# KiCad board raw.kicad_pcb (continued)
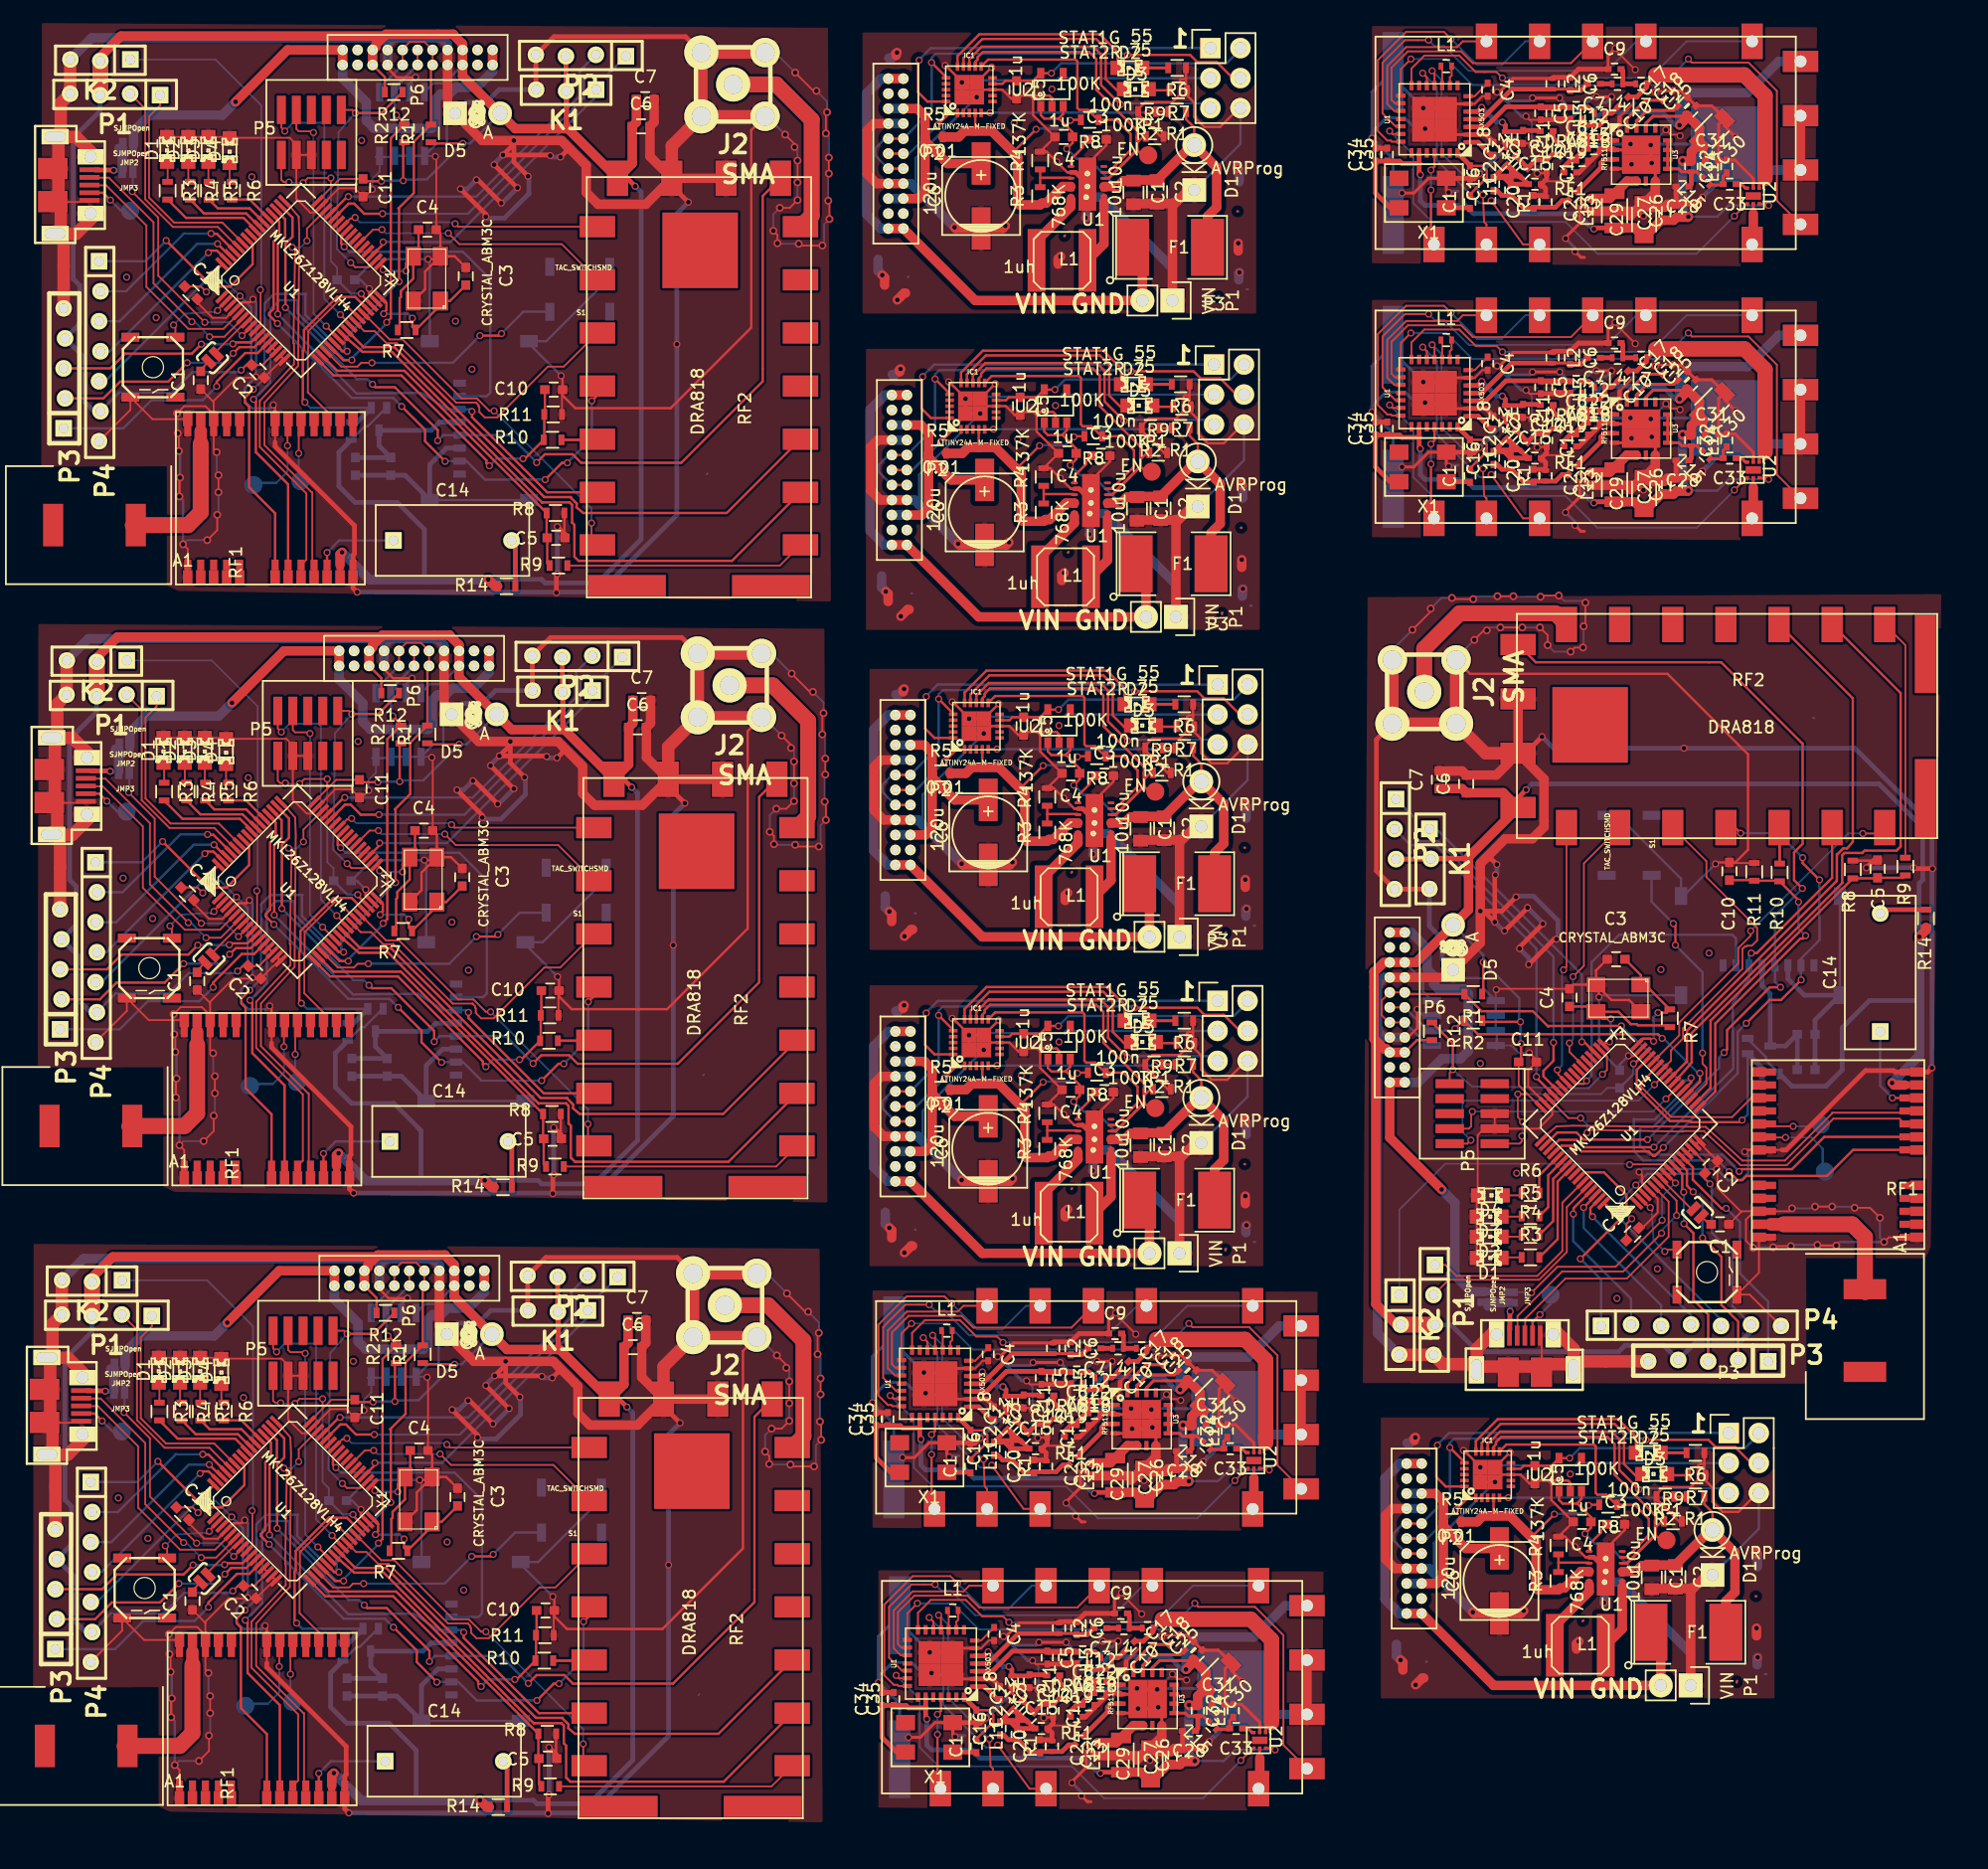
[diagram p0: board, top side]
## Routing (per net, layer and track width the routed paths; a pad name or vN(x,y) marks a point on that pad's centre or on a via; arc(x,y) is an arc through that point) (continued)
/USBDP: length 83
  Top w0.152: U1#9.5 137.35,52.23 137.35,49.25 133.8,45.7 128.6,45.7 125.2,42.3 125.2,41.36 ; U1#8.5 14.25,22.75 11.28,22.75 7.73,26.3 7.73,31.5 4.33,34.9 3.38,34.9 ; U1#7.5 14.65,75.25 11.68,75.25 8.12,78.8 8.12,84 4.73,87.4 3.78,87.4 ; U1#6.5 14.95,126.15 11.98,126.15 8.43,129.7 8.43,134.9 5.03,138.3 4.08,138.3
/USBV1: length 178.4
  Top w0.8: v1(118.13,53.25) 113.73,57.65 P6#4.21 P6#4.22 ; v1(15.27,41.98) 19.67,46.37 P6#3.21 P6#3.22 ; v1(15.68,94.48) 20.07,98.87 P6#2.21 P6#2.22 ; v1(15.98,145.38) 20.37,149.77 P6.21 P6.22 ; P6#4.2 P6#4.1 ; P6#2.2 P6#2.1 ; P6.2 P6.1 ; P6#3.2 P6#3.1
  Bottom w0.8: v1(118.13,53.25) 119.25,52.13 119.25,45.98 120.63,44.6 JMP2#4.2 ; v1(15.27,41.98) 14.15,40.85 8,40.85 6.62,39.47 JMP2#3.2 ; v1(15.68,94.48) 14.55,93.35 8.4,93.35 7.02,91.97 JMP2#2.2 ; v1(15.98,145.38) 14.85,144.25 8.7,144.25 7.32,142.87 JMP2.2 ; P6#4.22 116.15,62.32 118.15,64.33 119.73,64.33 120.38,64.98 120.38,69.85 120,70.23 117.88,70.23 117.45,70.65 117.45,71.35 116.9,71.9 116.9,73.68 115.56,75.02 P6#4.2 ; P6#3.22 24.34,43.96 26.35,41.95 26.35,40.38 27,39.73 31.88,39.73 32.25,40.1 32.25,42.23 32.68,42.65 33.38,42.65 33.93,43.2 35.7,43.2 37.05,44.55 P6#3.2 ; P6#2.22 24.75,96.46 26.75,94.45 26.75,92.88 27.4,92.23 32.27,92.23 32.65,92.6 32.65,94.73 33.08,95.15 33.77,95.15 34.33,95.7 36.1,95.7 37.45,97.05 P6#2.2 ; P6.22 25.05,147.36 27.05,145.35 27.05,143.78 27.7,143.12 32.58,143.12 32.95,143.5 32.95,145.62 33.38,146.05 34.08,146.05 34.62,146.6 36.4,146.6 37.75,147.95 P6.2
/USBV2: length 80.5
  Top w0.152: v1(137.93,53.8) 137.17,54.56 U1#9.8 ; v1(15.83,22.18) 16.58,22.93 U1#8.8 ; v1(16.23,74.68) 16.98,75.43 U1#7.8 ; v1(16.52,125.58) 17.28,126.33 U1#6.8 ; v1(136.8,50.65) 132.85,46.7 127.93,46.7 v1(125.73,44.5) ; v1(12.68,23.3) 8.73,27.25 8.73,32.18 v1(6.53,34.38) ; v1(13.08,75.8) 9.12,79.75 9.12,84.68 v1(6.93,86.88) ; v1(13.38,126.7) 9.43,130.65 9.43,135.58 v1(7.23,137.78)
  Bottom w0.152: v1(137.93,53.8) 136.8,52.68 v1(136.8,50.65) ; v1(15.83,22.18) 14.7,23.3 v1(12.68,23.3) ; v1(16.23,74.68) 15.1,75.8 v1(13.08,75.8) ; v1(16.52,125.58) 15.4,126.7 v1(13.38,126.7) ; v1(125.73,44.5) 125.68,44.55 JMP3#4.2 ; v1(6.53,34.38) 6.57,34.42 JMP3#3.2 ; v1(6.93,86.88) 6.97,86.92 JMP3#2.2 ; v1(7.23,137.78) 7.27,137.82 JMP3.2
/VSense: length 80
  Top w0.2: v1(137.12,27.15) 137.82,27.1 R2#4.1 R1#4.2 ; v1(93.82,63.75) 94.53,63.7 R2#5.1 R1#5.2 ; v1(93.82,90.55) 94.53,90.5 R2#3.1 R1#3.2 ; v1(93.53,117.65) 94.22,117.6 R2#2.1 R1#2.2 ; v1(93.22,144.45) 93.93,144.4 R2.1 R1.2 ; v1(123.78,27.15) 123.76,27.13 IC1#5.5 ; v1(80.47,63.75) 80.46,63.73 IC1#4.5 ; v1(80.47,90.55) 80.46,90.53 IC1#3.5 ; v1(80.18,117.65) 80.16,117.63 IC1#2.5 ; v1(79.88,144.45) 79.86,144.43 IC1.5
  Bottom w0.2: v1(137.12,27.15) v1(123.78,27.15) ; v1(93.82,63.75) v1(80.47,63.75) ; v1(93.82,90.55) v1(80.47,90.55) ; v1(93.53,117.65) v1(80.18,117.65) ; v1(93.22,144.45) v1(79.88,144.45)
Net-(A1-Pad2): length 76.6
  Top w0.2: RF1#2.11 RF1#2.11 ; RF1.11 RF1.11 ; RF1#4.11 RF1#4.11 ; RF1#3.11 RF1#3.11
  Top w1.056: 153.8,49.4 153.73,49.48 154,49.2 154,44.4 ; 11.43,6.3 11.5,6.38 11.23,6.1 6.43,6.1 ; 11.83,58.8 11.9,58.88 11.62,58.6 6.83,58.6 ; 12.12,109.7 12.2,109.78 11.93,109.5 7.12,109.5 ; RF1#4.11 147.1,50.3 ; RF1#3.11 12.33,13 ; RF1.11 13.03,116.4 ; RF1#2.11 12.73,65.5
  Top w1.35: A1#4.2 153.98,49.23 152.9,50.3 147.1,50.3 ; A1#3.2 11.25,6.12 12.33,7.2 12.33,13 ; A1#2.2 11.65,58.63 12.73,59.7 12.73,65.5 ; A1.2 11.95,109.53 13.03,110.6 13.03,116.4
Net-(C1-Pad1): length 8.1
  Top w0.4: C1#13.1 120.47,113.2 X1#8.3 ; C1#12.1 120.47,136.4 X1#7.3 ; C1#11.1 78.68,5.6 X1#6.3 ; C1#10.1 78.18,29.3 X1#5.3
Net-(C1-Pad2): length 27.7
  Top w0.152: JMP1#4.2 140.8,50.3 C1#9.2 ; JMP1#3.2 12.33,19.3 C1#8.2 ; JMP1#2.2 12.73,71.8 C1#7.2 ; JMP1.2 13.03,122.7 C1#6.2
  Top w0.2: C1#13.2 120.53,114.33 121.95,115.75 121.95,116.35 121.55,116.75 C2#13.1 ; C1#12.2 120.53,137.53 121.95,138.95 121.95,139.55 121.55,139.95 C2#12.1 ; C1#11.2 78.72,6.73 80.15,8.15 80.15,8.75 79.75,9.15 C2#11.1 ; C1#10.2 78.22,30.43 79.65,31.85 79.65,32.45 79.25,32.85 C2#10.1
  Top w0.4: U1#13.28 120.53,116.8 C2#13.1 ; U1#12.28 120.53,140 C2#12.1 ; U1#11.28 78.72,9.2 C2#11.1 ; U1#10.28 78.22,32.9 C2#10.1
Net-(C3-Pad1): length 61.6
  Top w0.2: C3#5.1 131.62,24.4 131.62,24.2 130.62,23.2 U1#5.1 ; C3#4.1 88.32,61 88.32,60.8 87.32,59.8 U1#4.1 ; C3#3.1 88.32,87.8 88.32,87.6 87.32,86.6 U1.1 ; C3#2.1 88.03,114.9 88.03,114.7 87.03,113.7 U1#3.1 ; C3.1 87.72,141.7 87.72,141.5 86.72,140.5 U1#2.1 ; v1(136.08,65.8) 136,65.8 135.78,66.03 135.18,66.03 U1#9.32 ; v1(27.83,24.03) 27.83,24.1 28.05,24.33 28.05,24.93 U1#8.32 ; v1(28.23,76.53) 28.23,76.6 28.45,76.83 28.45,77.43 U1#7.32 ; v1(28.52,127.43) 28.52,127.5 28.75,127.73 28.75,128.33 U1#6.32 ; v1(136.45,68.23) 137.18,68.23 R7#9.2 135.35,70.61 X1#4.1 135,71.41 C3#9.1 ; v1(30.25,23.65) 30.25,22.93 R7#8.2 32.63,24.75 X1#3.1 33.43,25.1 C3#8.1 ; v1(30.65,76.15) 30.65,75.43 R7#7.2 33.03,77.25 X1#2.1 33.83,77.6 C3#7.1 ; v1(30.95,127.05) 30.95,126.33 R7#6.2 33.33,128.15 X1.1 34.13,128.5 C3#6.1 ; 88.97,61.7 88.97,61.45 ; 88.97,88.5 88.97,88.25 ; 88.68,115.6 88.68,115.35 ; 132.28,25.1 132.28,24.85 ; 88.38,142.4 88.38,142.15
  Bottom w0.2: v1(136.08,65.8) 136.08,67.85 v1(136.45,68.23) ; v1(27.83,24.03) 29.88,24.03 v1(30.25,23.65) ; v1(28.23,76.53) 30.27,76.53 v1(30.65,76.15) ; v1(28.52,127.43) 30.58,127.43 v1(30.95,127.05)
Net-(C3-Pad2): length 10.4
  Top w0.4: U1#13.1 121.23,118.75 122.32,117.65 C3#13.2 ; U1#12.1 121.23,141.95 122.32,140.85 C3#12.2 ; U1#11.1 79.43,11.15 80.53,10.05 C3#11.2 ; U1#10.1 78.93,34.85 80.03,33.75 C3#10.2
Net-(C4-Pad1): length 61.7
  Top w0.16: C4#13.1 120.93,122.65 U1#13.7 ; C4#12.1 120.93,145.85 U1#12.7 ; C4#11.1 79.13,15.05 U1#11.7 ; C4#10.1 78.63,38.75 U1#10.7
  Top w0.2: X1#4.3 133.11,68.3 134.15,67.25 134.65,67.25 134.75,67.15 137.3,67.15 R7#9.1 ; X1#4.3 131.8,67.7 v1(132.45,67.7) ; X1#4.3 130.75,68.75 C4#9.1 ; X1#3.3 30.32,27 29.27,25.95 29.27,25.45 29.18,25.35 29.18,22.8 R7#8.1 ; X1#3.3 30.77,29.35 C4#8.1 ; X1#3.3 29.73,28.3 v1(29.73,27.65) ; X1#2.3 30.72,79.5 29.68,78.45 29.68,77.95 29.58,77.85 29.58,75.3 R7#7.1 ; X1#2.3 30.12,80.8 v1(30.12,80.15) ; X1#2.3 31.18,81.85 C4#7.1 ; X1.3 31.02,130.4 29.98,129.35 29.98,128.85 29.88,128.75 29.88,126.2 R7#6.1 ; X1.3 31.48,132.75 C4#6.1 ; X1.3 30.43,131.7 v1(30.43,131.05) ; v1(132.35,65.75) 132.07,65.75 U1#9.33 ; v1(27.77,27.75) 27.77,28.03 U1#8.33 ; v1(28.18,80.25) 28.18,80.53 U1#7.33 ; v1(28.48,131.15) 28.48,131.43 U1#6.33
  Bottom w0.2: v1(132.45,67.7) 132.45,65.85 v1(132.35,65.75) ; v1(29.73,27.65) 27.88,27.65 v1(27.77,27.75) ; v1(30.12,80.15) 28.27,80.15 v1(28.18,80.25) ; v1(30.43,131.05) 28.58,131.05 v1(28.48,131.15)
Net-(C5-Pad1): length 155.3
  Top w0.2: IC1#5.9 124.83,29.6 125.07,29.85 C5#5.1 127.42,29.85 U2#4.5 v1(128.97,30.5) ; IC1#4.9 81.53,66.2 81.78,66.45 C5#4.1 84.12,66.45 U2#5.5 v1(85.68,67.1) ; IC1#3.9 81.53,93 81.78,93.25 C5#3.1 84.12,93.25 U2#3.5 v1(85.68,93.9) ; IC1#2.9 81.23,120.1 81.47,120.35 C5#2.1 83.82,120.35 U2#2.5 v1(85.38,121) ; IC1.9 80.93,146.9 81.18,147.15 C5.1 83.53,147.15 U2.5 v1(85.07,147.8)
  Top w0.25: 128.12,30.5 U2#4.5 ; 84.82,67.1 U2#5.5 ; 84.82,93.9 U2#3.5 ; 84.53,121 U2#2.5 ; 84.22,147.8 U2.5
  Top w0.4: C5#13.1 123.57,121.75 121.87,120.05 U1#13.3 ; C5#13.1 126.62,121.65 L3#4.1 ; C5#13.1 128.92,121.75 C8#4.2 ; C5#12.1 123.57,144.95 121.87,143.25 U1#12.3 ; C5#12.1 126.62,144.85 L3#3.1 ; C5#12.1 128.92,144.95 C8#3.2 ; C5#11.1 81.78,14.15 80.07,12.45 U1#11.3 ; C5#11.1 84.82,14.05 L3#2.1 ; C5#11.1 87.12,14.15 C8#2.2 ; C5#10.1 81.28,37.85 79.57,36.15 U1#10.3 ; C5#10.1 84.32,37.75 L3.1 ; C5#10.1 86.62,37.85 C8.2
  Bottom w0.2: v1(128.97,30.5) 129.82,31.35 143.82,31.35 144.99,32.52 P3#4.2 ; v1(85.68,67.1) 86.53,67.95 100.53,67.95 101.69,69.12 P3#5.2 ; v1(85.68,93.9) 86.53,94.75 100.53,94.75 101.69,95.92 P3#3.2 ; v1(85.38,121) 86.22,121.85 100.22,121.85 101.39,123.02 P3#2.2 ; v1(85.07,147.8) 85.93,148.65 99.93,148.65 101.09,149.81 101.09,149.93
Net-(C6-Pad2): length 46.6
  Top w0.25: 128.92,123.25 C6#13.2 128.92,123.25 ; 128.92,123.25 L2#4.2 127.47,123.2 ; 128.92,146.45 C6#12.2 128.92,146.45 ; 128.92,146.45 L2#3.2 127.47,146.4 ; 87.12,15.65 C6#11.2 87.12,15.65 ; 87.12,15.65 L2#2.2 85.68,15.6 ; 86.62,39.35 C6#10.2 86.62,39.35 ; 86.62,39.35 L2.2 85.18,39.3
  Top w0.4: L2#4.2 124.07,123.25 121.53,120.7 U1#13.4 ; L2#3.2 124.07,146.45 121.53,143.9 U1#12.4 ; L2#2.2 82.28,15.65 79.72,13.1 U1#11.4 ; L2.2 81.78,39.35 79.22,36.8 U1#10.4 ; C7#8.2 129.92,123.15 C6#13.2 ; C7#7.2 129.92,146.35 C6#12.2 ; C7#6.2 88.12,15.55 C6#11.2 ; C7#5.2 87.62,39.25 C6#10.2
Net-(C7-Pad1): length 4
  Top w0.4: C7#7.1 L4#3.2 ; C7#8.1 L4#4.2 ; C7#5.1 L4.2 ; C7#6.1 L4#2.2
Net-(C8-Pad1): length 4.8
  Top w0.4: L5#4.2 130.57,121.7 C8#4.1 ; L5#3.2 130.57,144.9 C8#3.1 ; L5#2.2 88.78,14.1 C8#2.1 ; L5.2 88.28,37.8 C8.1
Net-(C8-Pad2): length 53.7
  Bottom w0.2: 146.25,65.4 Q1#4.3 146.15,65.6 ; 27.43,13.85 Q1#3.3 27.63,13.95 ; 27.83,66.35 Q1#2.3 28.03,66.45 ; 28.12,117.25 Q1.3 28.33,117.35
  Bottom w0.4: J1#4.4 145.26,70.53 145.95,69.83 Q1#4.3 147.25,65.4 C9#8.2 C8#8.2 ; J1#3.4 32.55,14.85 31.85,14.15 Q1#3.3 27.43,12.85 C9#7.2 C8#7.2 ; J1#2.4 32.95,67.35 32.25,66.65 Q1#2.3 27.83,65.35 C9#6.2 C8#6.2 ; J1.4 33.25,118.25 32.55,117.55 Q1.3 28.12,116.25 C9#5.2 C8#5.2
Net-(C9-Pad2): length 9.6
  Top w0.4: C9#4.2 133.47,124.8 L4#4.1 L7#4.2 ; C9#3.2 133.47,148 L4#3.1 L7#3.2 ; C9#2.2 91.68,17.2 L4#2.1 L7#2.2 ; C9.2 91.18,40.9 L4.1 L7.2
Net-(C10-Pad1): length 85.3
  Top w0.25: 145.53,115.7 145.03,115.2 U2#9.4 ; 145.53,138.9 145.03,138.4 U2#8.4 ; 103.72,8.1 103.22,7.6 U2#7.4 ; 103.22,31.8 102.72,31.3 U2#6.4
  Top w0.4: 136.28,124.45 135.53,123.7 L7#4.1 135.47,123.4 134.66,122.59 C10#8.1 ; 136.28,147.65 135.53,146.9 L7#3.1 135.47,146.6 134.66,145.79 C10#7.1 ; 94.47,16.85 93.72,16.1 L7#2.1 93.68,15.8 92.86,14.99 C10#6.1 ; 93.97,40.55 93.22,39.8 L7.1 93.18,39.5 92.36,38.69 C10#5.1
  Top w1.3: 145.53,115.7 145.53,122.7 143.78,124.45 136.28,124.45 ; 145.53,138.9 145.53,145.9 143.78,147.65 136.28,147.65 ; 103.72,8.1 103.72,15.1 101.97,16.85 94.47,16.85 ; 103.22,31.8 103.22,38.8 101.47,40.55 93.97,40.55
Net-(C10-Pad2): length 17.9
  Top w0.4: C10#8.2 132.53,121.2 L5#4.1 131.97,120.65 131.53,120.2 130.28,120.2 129.97,120.5 L6#4.1 ; C10#7.2 132.53,144.4 L5#3.1 131.97,143.85 131.53,143.4 130.28,143.4 129.97,143.7 L6#3.1 ; C10#6.2 90.72,13.6 L5#2.1 90.18,13.05 89.72,12.6 88.47,12.6 88.18,12.9 L6#2.1 ; C10#5.2 90.22,37.3 L5.1 89.68,36.75 89.22,36.3 87.97,36.3 87.68,36.6 L6.1
Net-(C12-Pad1): length 4.9
  Top w0.4: L9#4.2 127.57,119.1 C12#4.1 ; L9#3.2 127.57,142.3 C12#3.1 ; L9#2.2 85.78,11.5 C12#2.1 ; L9.2 85.28,35.2 C12.1
Net-(C13-Pad1): length 18.6
  Top w0.4: C14#8.2 125.34,116.66 L10#4.2 126.07,117.25 C13#8.1 127.53,117.75 L9#4.1 ; C14#7.2 125.34,139.86 L10#3.2 126.07,140.45 C13#7.1 127.53,140.95 L9#3.1 ; C14#6.2 83.54,9.06 L10#2.2 84.28,9.65 C13#6.1 85.72,10.15 L9#2.1 ; C14#5.2 83.04,32.76 L10.2 83.78,33.35 C13#5.1 85.22,33.85 L9.1
Net-(C14-Pad1): length 77.9
  Top w0.152: RF1.22 RF1.22 ; RF1#4.22 RF1#4.22 ; RF1#2.22 RF1#2.22 ; RF1#3.22 RF1#3.22
  Top w0.2: v1(156.3,61) RF1#4.22 ; v1(23.02,3.8) RF1#3.22 ; v1(23.43,56.3) RF1#2.22 ; v1(23.73,107.2) RF1.22
  Top w0.4: L10#4.1 123.78,116.81 C14#8.1 ; L10#4.1 122.66,115.88 C16#4.2 ; L10#4.1 124.79,115.88 C15#4.1 124.07,115.2 L11#4.2 ; L10#3.1 123.78,140.01 C14#7.1 ; L10#3.1 124.79,139.08 C15#3.1 124.07,138.4 L11#3.2 ; L10#3.1 122.66,139.08 C16#3.2 ; L10#2.1 81.98,9.21 C14#6.1 ; L10#2.1 82.99,8.28 C15#2.1 82.28,7.6 L11#2.2 ; L10#2.1 80.86,8.28 C16#2.2 ; L10.1 81.48,32.91 C14#5.1 ; L10.1 80.36,31.98 C16.2 ; L10.1 82.49,31.98 C15.1 81.78,31.3 L11.2 ; L11#4.2 123.42,115.75 C16#4.2 ; L11#4.2 124.03,116.42 C14#8.1 ; L11#3.2 123.42,138.95 C16#3.2 ; L11#3.2 124.03,139.62 C14#7.1 ; L11#2.2 81.62,8.15 C16#2.2 ; L11#2.2 82.22,8.82 C14#6.1 ; L11.2 81.12,31.85 C16.2 ; L11.2 81.72,32.52 C14#5.1 ; C16#4.2 123.59,116.81 C14#8.1 ; C16#3.2 123.59,140.01 C14#7.1 ; C16#2.2 81.79,9.21 C14#6.1 ; C16.2 81.29,32.91 C14#5.1
  Bottom w0.2: v1(156.3,61) 155.28,62.03 C14#4.1 ; v1(23.02,3.8) 24.05,4.83 C14#3.1 ; v1(23.43,56.3) 24.45,57.33 C14.1 ; v1(23.73,107.2) 24.75,108.23 C14#2.1
Net-(C14-Pad2): length 16
  Top w0.4: C14#4.2 155.6,76.95 R14#4.1 ; C14#3.2 38.98,4.5 R14#3.1 ; C14.2 39.38,57 R14.1 ; C14#2.2 39.68,107.9 R14#2.1
Net-(C16-Pad1): length 28.8
  Top w0.4: C23.2 86.04,29.91 85.47,29.35 R1#10.1 83.72,29.35 C20.1 82.82,29.25 L11.1 80.93,30.35 80.53,30.75 C16.1 ; C23#2.2 86.54,6.21 85.97,5.65 R1#11.1 84.22,5.65 C20#2.1 83.32,5.55 L11#2.1 81.43,6.65 81.03,7.05 C16#2.1 ; C16#3.1 122.82,137.85 123.22,137.45 L11#3.1 125.12,136.35 C20#3.1 126.03,136.45 R1#12.1 127.78,136.45 128.34,137.01 C23#3.2 ; C16#4.1 122.82,114.65 123.22,114.25 L11#4.1 125.12,113.15 C20#4.1 126.03,113.25 R1#13.1 127.78,113.25 128.34,113.81 C23#4.2
Net-(C17-Pad1): length 18
  Top w0.25: C17#4.1 135.39,122.31 133.82,120.75 U3#8.16 ; C17#3.1 135.39,145.51 133.82,143.95 U3#7.16 ; C17#2.1 93.59,14.71 92.03,13.15 U3#6.16 ; C17.1 93.09,38.41 91.53,36.85 U3#5.16
Net-(C18-Pad1): length 18.5
  Top w0.25: C18#4.1 137.78,121.45 135.53,121.45 134.62,120.55 U3#8.15 ; C18#3.1 137.78,144.65 135.53,144.65 134.62,143.75 U3#7.15 ; C18#2.1 95.97,13.85 93.72,13.85 92.82,12.95 U3#6.15 ; C18.1 95.47,37.55 93.22,37.55 92.32,36.65 U3#5.15
Net-(C23-Pad1): length 18.1
  Top w0.4: U3#8.3 131.92,117.3 131.62,117 131.62,116.6 C23#4.1 ; U3#7.3 131.92,140.5 131.62,140.2 131.62,139.8 C23#3.1 ; U3#6.3 90.12,9.7 89.82,9.4 89.82,9 C23#2.1 ; U3#5.3 89.62,33.4 89.32,33.1 89.32,32.7 C23.1
Net-(C24-Pad2): length 17.8
  Top w0.8: C24#3.2 132.38,137.2 L13#3.2 U3#7.5 U3#7.6 ; U3#8.6 U3#8.5 L13#4.2 132.38,114 C24#4.2 ; C24#2.2 90.57,6.4 L13#2.2 U3#6.5 U3#6.6 ; U3#5.6 U3#5.5 L13.2 90.07,30.1 C24.2
Net-(C28-Pad1): length 27.9
  Top w0.25: L15#4.2 139.72,116.25 L14#4.2 138.47,116.25 138.22,116.5 U3#8.9 U3#8.10 U3#8.11 U3#8.12 ; L15#3.2 139.72,139.45 L14#3.2 138.47,139.45 138.22,139.7 U3#7.9 U3#7.10 U3#7.11 U3#7.12 ; L15#2.2 97.93,8.65 L14#2.2 96.68,8.65 96.43,8.9 U3#6.9 U3#6.10 U3#6.11 U3#6.12 ; L15.2 97.43,32.35 L14.2 96.18,32.35 95.93,32.6 U3#5.9 U3#5.10 U3#5.11 U3#5.12
  Top w0.4: C28#4.1 139.28,115.2 L14#4.2 ; C28#3.1 139.28,138.4 L14#3.2 ; C28#2.1 97.47,7.6 L14#2.2 ; C28.1 96.97,31.3 L14.2
Net-(C32-Pad1): length 8.9
  Top w0.25: C32#4.1 141.97,115.85 C33#4.2 141.91,115.13 L15#4.1 ; C32#3.1 141.97,139.05 C33#3.2 141.91,138.33 L15#3.1 ; C32#2.1 100.18,8.25 C33#2.2 100.11,7.53 L15#2.1 ; C32.1 99.68,31.95 C33.2 99.61,31.23 L15.1
Net-(D1-Pad1): length 6.9
  Top w0.152: D1#9.1 123.25,47.5 R3#9.1 ; D1#8.1 9.53,36.85 R3#8.1 ; D1#7.1 9.93,89.35 R3#7.1 ; D1#6.1 10.23,140.25 R3#6.1
Net-(D2-Pad1): length 92.9
  Top w0.152: R4#9.1 124.75,49.25 D2#9.1 ; R4#8.1 11.28,35.35 D2#8.1 ; R4#7.1 11.68,87.85 D2#7.1 ; R4#6.1 11.98,138.75 D2#6.1
  Top w0.2: IC1#5.15 121.02,31.95 122.88,33.8 133.07,33.8 134.58,32.3 D2#5.1 ; IC1#4.15 77.72,68.55 79.57,70.4 89.78,70.4 91.28,68.9 D2#4.1 ; IC1#3.15 77.72,95.35 79.57,97.2 89.78,97.2 91.28,95.7 D2#3.1 ; IC1#2.15 77.42,122.45 79.28,124.3 89.47,124.3 90.98,122.8 D2#2.1 ; IC1.15 77.12,149.25 78.97,151.1 89.18,151.1 90.68,149.6 D2.1
Net-(D2-Pad2): length 11
  Top w0.25: R6#4.2 D2#5.2 ; R6.2 D2.2 ; R6#5.2 D2#4.2 ; R6#3.2 D2#3.2 ; R6#2.2 D2#2.2
Net-(D3-Pad1): length 99
  Top w0.152: R5#9.1 124.85,50.95 D3#9.1 ; R5#8.1 12.98,35.25 D3#8.1 ; R5#7.1 13.38,87.75 D3#7.1 ; R5#6.1 13.68,138.65 D3#6.1
  Top w0.2: IC1#5.14 121.52,31.8 123.12,33.4 132.78,33.4 133.57,32.6 133.57,30 134.53,29.05 134.68,29.05 134.68,29.6 ; IC1#4.14 78.22,68.4 79.82,70 89.47,70 90.28,69.2 90.28,66.6 91.22,65.65 91.38,65.65 91.38,66.2 ; IC1#3.14 78.22,95.2 79.82,96.8 89.47,96.8 90.28,96 90.28,93.4 91.22,92.45 91.38,92.45 91.38,93 ; IC1#2.14 77.92,122.3 79.53,123.9 89.18,123.9 89.97,123.1 89.97,120.5 90.93,119.55 91.08,119.55 91.08,120.1 ; IC1.14 77.62,149.1 79.22,150.7 88.88,150.7 89.68,149.9 89.68,147.3 90.62,146.35 90.78,146.35 90.78,146.9
Net-(D3-Pad2): length 11
  Top w0.2: R7#5.2 93.47,65.65 ; R7.2 92.87,146.35 ; R7#4.2 136.77,29.05 ; R7#3.2 93.47,92.45 ; R7#2.2 93.17,119.55
Net-(D4-Pad1): length 6.7
  Top w0.152: R6#9.1 124.7,52.75 D4#4.1 ; R6#8.1 14.78,35.4 D4#3.1 ; R6#7.1 15.18,87.9 D4#2.1 ; R6#6.1 15.48,138.8 D4.1
Net-(IC1-Pad13): length 126.3
  Top w0.2: IC1#4.13 78.72,68.3 79.78,69.35 89.22,69.35 89.88,68.7 89.88,66.1 v1(91.53,64.45) ; IC1#2.13 78.43,122.2 79.47,123.25 88.93,123.25 89.57,122.6 89.57,120 v1(91.22,118.35) ; v1(91.53,91.25) 89.88,92.9 89.88,95.5 89.22,96.15 79.78,96.15 78.72,95.1 IC1#3.13 ; IC1#5.13 122.03,31.7 123.07,32.75 132.53,32.75 133.17,32.1 133.17,29.5 v1(134.82,27.85) ; v1(90.93,145.15) 89.28,146.8 89.28,149.4 88.62,150.05 79.18,150.05 78.12,149 IC1.13
  Bottom w0.2: v1(134.82,27.85) 134.92,27.95 142.04,27.95 P3#4.5 ; v1(91.53,64.45) 91.62,64.55 98.75,64.55 P3#5.5 ; v1(91.53,91.25) 91.62,91.35 98.75,91.35 P3#3.5 ; v1(91.22,118.35) 91.32,118.45 98.44,118.45 98.85,118.05 ; v1(90.93,145.15) 91.03,145.25 98.15,145.25 P3.5
Net-(IC1-Pad20): length 153.6
  Top w0.2: 120.06,27.97 IC1#5.20 118.48,28.1 117.67,28.9 117.67,31.5 v1(117.78,31.6) ; 76.76,64.57 IC1#4.20 75.18,64.7 74.38,65.5 74.38,68.1 v1(74.47,68.2) ; 76.76,91.37 IC1#3.20 75.18,91.5 74.38,92.3 74.38,94.9 v1(74.47,95) ; 76.46,118.47 IC1#2.20 74.88,118.6 74.07,119.4 74.07,122 v1(74.18,122.1) ; 76.16,145.27 IC1.20 74.58,145.4 73.78,146.2 73.78,148.8 v1(73.88,148.9)
  Bottom w0.2: v1(117.78,31.6) 117.78,31.65 118.75,32.62 P3#4.1 ; v1(74.47,68.2) 74.47,68.25 75.45,69.23 P3#5.1 ; v1(74.47,95) 74.47,95.05 75.45,96.03 P3#3.1 ; v1(74.18,122.1) 74.18,122.15 75.15,123.13 P3#2.1 ; v1(73.88,148.9) 73.88,148.95 74.85,149.93 P3.1
Net-(J2-Pad1): length 70.8
  Top w1.056: RF2#2.12 63.52,84.28 ; RF2#4.12 128.33,101.1 ; RF2.12 63.82,135.18 ; RF2#3.12 63.13,31.78
  Top w1.35: RF2#4.12 127.75,102.05 119.65,102.05 116.65,99.05 J2#4.1 ; RF2#3.12 64.07,32.35 64.07,40.45 61.07,43.45 J2#3.1 ; RF2#2.12 64.47,84.85 64.47,92.95 61.48,95.95 J2#2.1 ; RF2.12 64.78,135.75 64.78,143.85 61.77,146.85 J2.1
Net-(JMP1-Pad1): length 15.3
  Top w0.152: JMP1#4.1 139.26,51.62 136.79,54.09 U1#9.7 ; JMP1#3.1 13.64,20.84 16.11,23.31 U1#8.7 ; JMP1#2.1 14.04,73.34 16.51,75.81 U1#7.7 ; JMP1.1 14.34,124.24 16.81,126.71 U1#6.7
Net-(JMP2-Pad1): length 18.4
  Top w0.4: v1(123.93,42.93) 123.9,42.9 123.9,41.36 ; v1(4.95,36.18) 4.92,36.2 3.38,36.2 ; v1(5.35,88.68) 5.32,88.7 3.78,88.7 ; v1(5.65,139.58) 5.62,139.6 4.08,139.6
  Bottom w0.152: 121.85,43.66 JMP2#4.1 ; 5.68,38.25 JMP2#3.1 ; 6.08,90.75 JMP2#2.1 ; 6.38,141.65 JMP2.1
  Bottom w0.4: v1(123.93,42.93) 123.95,42.95 JMP3#4.1 ; v1(4.95,36.18) 4.98,36.15 JMP3#3.1 ; v1(5.35,88.68) 5.38,88.65 JMP3#2.1 ; v1(5.65,139.58) 5.68,139.55 JMP3.1
  Bottom w0.8: 122.05,43.38 122.05,43.63 122.03,43.66 JMP3#4.1 ; 5.4,38.05 5.65,38.05 5.68,38.07 JMP3#3.1 ; 5.8,90.55 6.05,90.55 6.08,90.57 JMP3#2.1 ; 6.1,141.45 6.35,141.45 6.38,141.47 JMP3.1
Net-(L1-Pad1): length 36.9
  Top w0.16: L1#9.1 118.18,125.1 U1#13.10 ; L1#8.1 118.18,148.3 U1#12.10 ; L1#7.1 76.38,17.5 U1#11.10 ; L1#6.1 75.88,41.2 U1#10.10
  Top w0.4: U1#4.9 U1#4.8 ; U1#3.9 U1#3.8 ; U1.9 U1.8 ; U1#5.9 U1#5.8 ; U1#2.9 U1#2.8
  Top w0.8: L1#5.1 133.42,16.04 U1#5.8 ; L1#4.1 90.12,52.64 U1#4.8 ; L1#3.1 90.12,79.44 U1.8 ; L1#2.1 89.82,106.54 U1#3.8 ; L1.1 89.53,133.34 U1#2.8
Net-(L1-Pad2): length 41.1
  Top w0.16: U1#13.9 118.83,124.25 118.97,124.4 L1#9.2 ; U1#12.9 118.83,147.45 118.97,147.6 L1#8.2 ; U1#11.9 77.03,16.65 77.18,16.8 L1#7.2 ; U1#10.9 76.53,40.35 76.68,40.5 L1#6.2
  Top w0.4: U1#5.7 U1#5.6 ; U1#4.7 U1#4.6 ; U1.7 U1.6 ; U1#3.7 U1#3.6 ; U1#2.7 U1#2.6
  Top w0.8: L1#5.2 127.72,16.29 130.62,19.2 130.62,19.8 ; 84.42,51.25 84.42,52.89 87.32,55.8 87.32,56.4 ; 84.42,78.05 84.42,79.69 87.32,82.6 87.32,83.2 ; 84.12,105.15 84.12,106.79 87.03,109.7 87.03,110.3 ; L1.2 83.82,133.59 86.72,136.5 86.72,137.1
Net-(L12-Pad2): length 5.7
  Top w0.4: L12#4.2 131.78,118.9 U3#8.1 ; L12#3.2 131.78,142.1 U3#7.1 ; L12#2.2 89.97,11.3 U3#6.1 ; L12.2 89.47,35 U3#5.1
Net-(P7-Pad1): length 21.6
  Top w0.152: v1(147.9,58.6) 146.2,58.6 RF1#4.5 RF1#4.5 ; v1(20.62,12.2) 20.62,13.9 RF1#3.5 RF1#3.5 ; v1(21.02,64.7) 21.02,66.4 RF1#2.5 RF1#2.5 ; v1(21.33,115.6) 21.33,117.3 RF1.5 RF1.5
  Bottom w0.152: v1(147.9,58.6) 150.1,58.6 P7#4.1 ; v1(20.62,12.2) 20.62,10 P7#3.1 ; v1(21.02,64.7) 21.02,62.5 P7#2.1 ; v1(21.33,115.6) 21.33,113.4 P7.1
Net-(P8-Pad1): length 35.2
  Top w0.152: v1(147.25,57.65) 145.05,57.65 RF1#4.6 RF1#4.6 ; v1(19.68,12.85) 19.68,15.05 RF1#3.6 RF1#3.6 ; v1(20.08,65.35) 20.08,67.55 RF1#2.6 RF1#2.6 ; v1(20.38,116.25) 20.38,118.45 RF1.6 RF1.6
  Bottom w0.152: v1(147.25,57.65) 149.45,57.65 150.4,56.7 ; v1(19.68,12.85) 19.68,10.65 18.73,9.7 ; v1(20.08,65.35) 20.08,63.15 19.12,62.2 ; v1(20.38,116.25) 20.38,114.05 19.43,113.1
  Bottom w0.2: P8#4.1 150.4,54.95 150.4,56.7 ; P8#3.1 16.98,9.7 18.73,9.7 ; P8#2.1 17.38,62.2 19.12,62.2 ; P8.1 17.68,113.1 19.43,113.1
Net-(P10-Pad1): length 16.6
  Top w0.152: 125.85,41.36 125.9,41.31 ; 3.38,34.25 3.33,34.2 ; 4.08,137.65 4.03,137.6 ; 3.78,86.75 3.73,86.7
  Top w0.2: v1(126.45,42.65) 125.83,42.03 U3#4.4 ; v1(4.68,33.65) 4.05,34.27 U3#3.4 ; v1(5.08,86.15) 4.45,86.77 U3#2.4 ; v1(5.38,137.05) 4.75,137.67 U3.4
  Bottom w0.2: v1(126.45,42.65) 127.35,43.55 P10#4.1 ; v1(4.68,33.65) 5.58,32.75 P10#3.1 ; v1(5.08,86.15) 5.98,85.25 P10#2.1 ; v1(5.38,137.05) 6.28,136.15 P10.1
Net-(R3-Pad2): length 20.6
  Top w0.2: 128.03,21.65 R4#4.1 ; 128.03,21.65 R3#4.2 ; 128.03,21.65 130.57,21.65 U1#5.3 ; 84.72,58.25 R4#5.1 ; 84.72,58.25 87.28,58.25 U1#4.3 ; 84.72,58.25 R3#5.2 ; 84.72,85.05 R4#3.1 ; 84.72,85.05 87.28,85.05 U1.3 ; 84.72,85.05 R3#3.2 ; 84.43,112.15 R4#2.1 ; 84.43,112.15 R3#2.2 ; 84.43,112.15 86.97,112.15 U1#3.3 ; 84.12,138.95 R4.1 ; 84.12,138.95 R3.2 ; 84.12,138.95 86.68,138.95 U1#2.3
Net-(R9-Pad1): length 81.9
  Top w0.152: R9#9.1 157.4,99.35 RF2#4.18 ; R9#8.1 61.38,2.7 RF2#3.18 ; R9#7.1 61.77,55.2 RF2#2.18 ; R9#6.1 62.07,106.1 RF2.18
Net-(R10-Pad2): length 24.3
  Top w0.2: 146.75,83.85 R10#4.2 146.75,83.85 ; 146.75,83.85 RF2#4.3 ; 45.88,13.35 R10#3.2 45.88,13.35 ; 45.88,13.35 RF2#3.3 ; 46.27,65.85 R10#2.2 46.27,65.85 ; 46.27,65.85 RF2#2.3 ; 46.58,116.75 R10.2 46.58,116.75 ; 46.58,116.75 RF2.3
Net-(RF1-Pad2): length 4
  Top w0.152: RF1#3.2 RF1#3.2 ; RF1#2.2 RF1#2.2 ; RF1#4.2 RF1#4.2 ; RF1.2 RF1.2
Net-(RF1-Pad4): length 4
  Top w0.152: RF1#3.4 RF1#3.4 ; RF1.4 RF1.4 ; RF1#4.4 RF1#4.4 ; RF1#2.4 RF1#2.4
Net-(RF1-Pad8): length 4
  Top w0.152: RF1#4.8 RF1#4.8 ; RF1.8 RF1.8 ; RF1#3.8 RF1#3.8 ; RF1#2.8 RF1#2.8
Net-(RF1-Pad9): length 4
  Top w0.152: RF1#4.9 RF1#4.9 ; RF1#2.9 RF1#2.9 ; RF1#3.9 RF1#3.9 ; RF1.9 RF1.9
Net-(RF1-Pad12): length 13.9
  Top w0.25: 144.53,135.9 U2#8.2 ; 102.72,5.1 U2#7.2 ; 102.22,28.8 U2#6.2 ; 144.53,112.7 U2#9.2
  Top w0.8: RF1#8.12 144.53,110.2 144.53,112.7 ; RF1#7.12 144.53,133.4 144.53,135.9 ; RF1#6.12 102.72,2.6 102.72,5.1 ; RF1#5.12 102.22,26.3 102.22,28.8
Net-(RF1-Pad14): length 4.2
  Top w0.2: RF1#4.14 RF1#4.14 ; RF1.14 RF1.14 ; RF1#2.14 RF1#2.14 ; RF1#3.14 RF1#3.14

## Copper pours and planes (outline as drawn; the poured copper is in the pictures)
GND on Top: 102.57,127.15 68.78,127.25 68.78,151.3 102.57,151.45
GND on Top: 146.47,9.85 112.67,9.95 112.67,34 146.47,34.15
GND on Top: 102.88,100.35 69.07,100.45 69.07,124.5 102.88,124.65
GND on Top: 103.18,46.45 69.38,46.55 69.38,70.6 103.18,70.75
GND on Top: 103.18,73.25 69.38,73.35 69.38,97.4 103.18,97.55
GND on Top: 66.4,103.13 66.15,151.65 -0.42,152.05 -0.47,114.48 10.15,114.5 10.15,104.4 11.12,103.95 66.28,103.05
GND on Top: 160.38,103.68 111.85,103.43 111.45,36.85 149.03,36.8 149,47.43 159.1,47.43 159.55,48.4 160.45,103.55
GND on Top: 66.1,52.23 65.85,100.75 -0.72,101.15 -0.77,63.58 9.85,63.6 9.85,53.5 10.83,53.05 65.97,52.15
GND on Top: 65.7,-0.27 65.45,48.25 -1.12,48.65 -1.17,11.08 9.45,11.1 9.45,1 10.43,0.55 65.57,-0.35
GND on Top: 112.22,151.8 149.92,151.7 149.72,131.4 112.22,131.7
GND on Top: 112.22,128.6 149.92,128.5 149.72,108.2 112.22,108.5
GND on Top: 70.43,21 108.12,20.9 107.93,0.6 70.43,0.9
GND on Top: 69.93,44.7 107.62,44.6 107.43,24.3 69.93,24.6
GND on Bottom: 102.88,100.35 69.07,100.45 69.07,124.5 102.88,124.65
GND on Bottom: 102.57,127.15 68.78,127.25 68.78,151.3 102.57,151.45
GND on Bottom: 103.18,73.25 69.38,73.35 69.38,97.4 103.18,97.55
GND on Bottom: 103.18,46.45 69.38,46.55 69.38,70.6 103.18,70.75
GND on Bottom: 146.47,9.85 112.67,9.95 112.67,34 146.47,34.15
GND on Bottom: 66.4,103.13 66.15,151.65 -0.42,152.05 -0.47,114.48 10.15,114.5 10.15,104.4 11.12,103.95 66.28,103.05
GND on Bottom: 65.7,-0.27 65.45,48.25 -1.12,48.65 -1.17,11.08 9.45,11.1 9.45,1 10.43,0.55 65.57,-0.35
GND on Bottom: 66.1,52.23 65.85,100.75 -0.72,101.15 -0.77,63.58 9.85,63.6 9.85,53.5 10.83,53.05 65.97,52.15
GND on Bottom: 160.38,103.68 111.85,103.43 111.45,36.85 149.03,36.8 149,47.43 159.1,47.43 159.55,48.4 160.45,103.55
GND on Bottom: 112.22,151.8 149.92,151.7 149.72,131.4 112.22,131.7
GND on Bottom: 112.22,128.6 149.92,128.5 149.72,108.2 112.22,108.5
GND on Bottom: 70.43,21 108.12,20.9 107.93,0.6 70.43,0.9
GND on Bottom: 69.93,44.7 107.62,44.6 107.43,24.3 69.93,24.6

## Text on the board
B.SilkS: AB1TJ / PowerGiant / 3v3@3AOut / 3v3-5Vin | Vin / X / 3v3Out / Gnd / SDA / CLK / SDA / Gnd / 3v3Out / X / Vin | REV0.A | GIANT | AB1TJ / RF MODULE / REV0.TREX | AB1TJ / HABULATOR-9001
F.SilkS: VIN GND | 1
